# KiCad board weisse_cpu.kicad_pcb (continued)
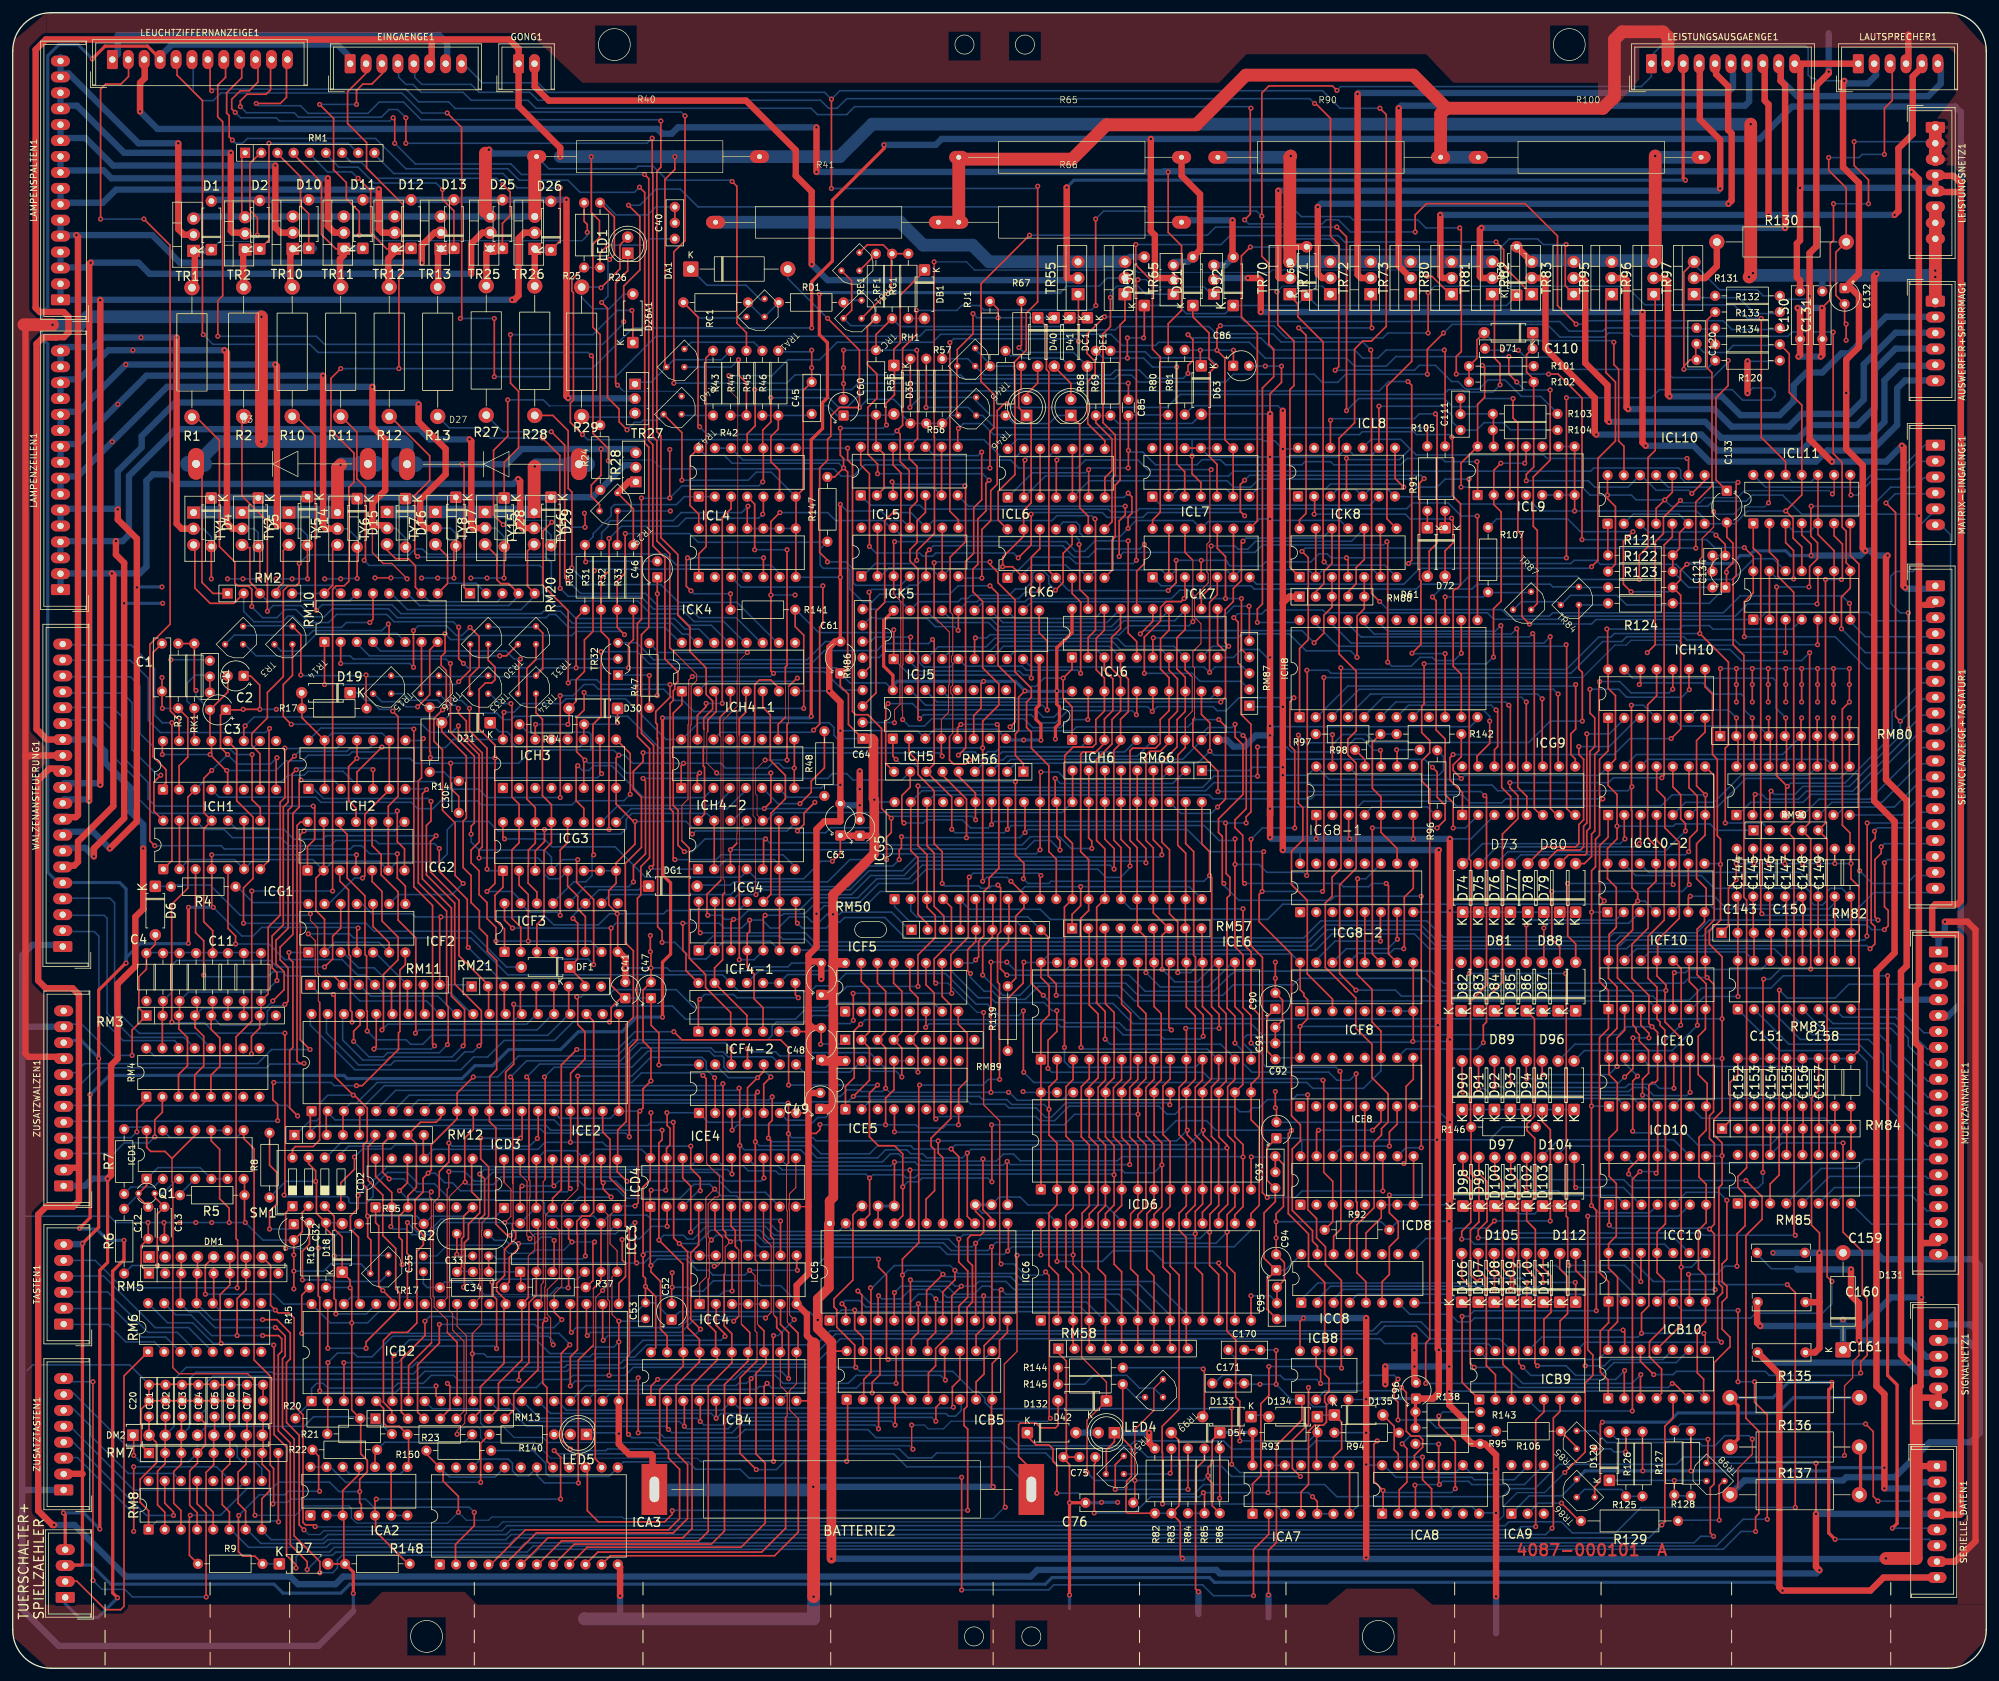
[diagram p0: board, top side]
## Routing (per net, layer and track width the routed paths; a pad name or vN(x,y) marks a point on that pad's centre or on a via; arc(x,y) is an arc through that point) (continued)
GND1: length 695.6
  Top w0.25: v1(37.55,122.07) 37.55,101.62 35.09,99.16 35.09,67.48 35.33,67.24 35.33,59.83 v1(35.25,59.75) ; v1(50.25,122.07) 50.25,169.44 50.8,170 52.07,170 52.79,170.71 52.79,185.44 53.6,186.25 53.6,190.85 49.99,194.46 49.99,202.58 v1(51.52,204.11) ; 55.54,252 55.54,250.54 52.6,247.6 52.6,242.6 55.58,239.62 55.58,235.61 61.33,229.86 61.33,219.5 60.66,218.84 60.66,204.11 v1(60.66,204.11)
  Top w0.5: v1(136.86,239.25) 136.86,238.68 128.75,230.57 128.75,221 125.5,217.75 v1(125.5,210.5)
  Top w1: v1(178.77,240.18) 178.77,225.7 179.4,225.06 179.4,218.72 179.79,218.33 182.33,218.33
  Bottom w0.25: v1(125.5,210.5) 97.4,210.5 91.01,204.11 v1(60.66,204.11) v1(51.52,204.11) ; v1(37.55,122.07) v1(50.25,122.07) ; 8.16,64.05 12.95,64.05 17.25,59.75 v1(35.25,59.75)
  Bottom w1: 302.5,102.34 303.92,102.34 306.02,104.44 306.02,244.37 305.13,245.26 279.48,245.26 274.4,240.18 v1(178.77,240.18) 145.92,240.18 144.99,239.25 v1(136.86,239.25)
GNDPWR: length 668.7
  Top w0.25: v1(284.18,213.63) 285.5,214.95 285.5,223.75 286,224.25 v1(286,230) ; RM2.1 31.45,168.8 29.73,170.53 29.73,188.22 ; RM20.1 70.9,169.74 70.9,188.8 v1(70.6,189.1) ; v1(289.25,239.75) 289.25,236 291.5,233.75 v1(291.5,230) ; TR29.3 92.17,182.76 90.89,184.04 90.89,185.82 92.4,187.34 v1(92.4,191.48)
  Top w1: v1(284,206) 284.25,206.25 C131.1 284.25,213.56 v1(284.18,213.63) ; 7.96,96.03 2.47,96.03 2,96.5 2,143.25 ; v1(303.5,117.25) 307.04,117.25 308.31,115.98 308.31,19.96 305.1,16.75 SERIELLE_DATEN1.7 ; v1(280.5,206) 280.75,206.25 C130.1 280.75,213.25 v1(280.37,213.63) ; 2,143.25 2.75,143.25 2.85,143.35 WALZENANSTEUERUNG1.13 ; 2,143.25 2,210.75 1.75,211 ; 297.77,252 297.77,256.53 297.75,256.55
  Top w2: 1.75,211 v1(6.25,211) ; 149.5,237 166.4,237 171.8,242.4 185.9,242.4 193.7,250.2 220,250.2 225.2,245 ; 225.2,245 224.3,244.1 R90.2 ; 225.2,245 249.8,245 251.6,246.8 251.6,255.8 252.8,257 259.2,257 260,256.2 260,252.06 259.94,252 ; 302,236.92 LEISTUNGSNETZ1.1 ; R65.1 R66.1 R41.2 ; v1(39.07,212.24) v1(39.07,192.65)
  Bottom w0.25: 301.71,239.75 v1(289.25,239.75) ; v1(291.5,230) v1(286,230)
  Bottom w1: v1(280.37,213.63) v1(284.18,213.63) ; v1(280.5,206) v1(284,206) ; 97.87,191.48 v1(92.4,191.48) 79.98,191.48 77.6,189.1 v1(70.6,189.1) D27.1 ; MUENZANNAHME1.1 302.5,114.5 303.5,115.5 v1(303.5,117.25)
  Bottom w2: D27.1 61.95,192.1 61.4,192.65 32.3,192.65 D3.1 ; v1(6.25,211) 10.5,211 11.75,212.25 39.06,212.25 v1(39.07,212.24) ; R41.2 R66.1 ; R90.2 R100.1
/A8#: length 31.5
  Top w0.25: v1(235,151.25) 235.25,151 235.25,141.25
  Bottom w0.25: 214.84,149.34 217.25,151.75 234.5,151.75 v1(235,151.25)
/A8b: length 37.5
  Top w0.25: v1(237.75,151.75) 237.75,141.25
  Bottom w0.25: v1(237.75,151.75) 237,152.5 215.25,152.5 212.3,149.55
/B8: length 26.2
  Top w0.25: v1(233,150.5) 233.25,150.25 233.25,144.75 232.75,144.25 232.75,141.28
  Bottom w0.25: 217.38,149.38 219.25,151.25 232.25,151.25 v1(233,150.5)
/C8#: length 50.1
  Top w0.25: ICG9.4 235.29,136.93 233.89,138.32 233.89,163.61 v1(233.75,163.75)
  Bottom w0.25: v1(233.75,163.75) 232.88,162.88 215.96,162.88 214.84,164
/C9: length 21.8
  Top w0.25: 230,141.49 230,143.25 232,145.25 v1(232,148.75)
  Bottom w0.25: v1(232,148.75) 232,149.5 231,150.5 221,150.5 219.92,149.42
/cTS0: length 108.8
  Top w0.25: v1(277.07,169.82) 277.07,140.18 v1(278.75,138.5) 278.5,138.25 278.5,134.13 ; v1(282.15,169.82) 282.25,169.92 282.25,173 283.5,174.25 283.5,176.75 282.44,177.81 282.44,182.44 v1(282.5,182.5)
  Bottom w0.25: v1(282.5,182.5) 292,182.5 295,185.5 298.75,185.5 300.25,187 302,187 ; 302,154.76 299.76,154.76 295.2,150.2 295.2,146.44 287.76,139 279.25,139 v1(278.75,138.5) ; v1(282.15,169.82) v1(277.07,169.82)
/cTS1: length 80.7
  Top w0.25: v1(296.5,148.72) 295.75,149.47 295.75,181.5 v1(294.25,183) ; v1(276.2,137.75) 276,137.55 276,134.17
  Bottom w0.25: 302,184.46 295.71,184.46 v1(294.25,183) ; 302,152.22 300,152.22 v1(296.5,148.72) 296.5,146.5 288.5,138.5 281.2,138.5 279.95,137.25 276.7,137.25 v1(276.2,137.75)
/cTS2: length 78.6
  Top w0.25: v1(297.75,165.75) 297.75,147.55 v1(297.8,147.5) ; 273.5,134.21 273.5,137.05 v1(273.7,137.25)
  Bottom w0.25: v1(273.7,137.25) 274.75,137.25 275.5,136.5 280.5,136.5 281.75,137.75 289,137.75 297.8,146.55 v1(297.8,147.5) 297.8,147.55 299.93,149.68 302,149.68 ; 302,181.92 299.75,179.67 299.75,173.5 298.5,172.25 295.75,172.25 295,171.5 295,167.25 296.5,165.75 v1(297.75,165.75)
/cTS3: length 71.2
  Bottom w0.25: 271,134 273,136 281.24,136 282.49,137.25 289.75,137.25 299.64,147.14 303.64,147.14 304.4,147.9 304.4,178 303.02,179.38
/cTS4: length 25.2
  Bottom w0.25: 281.23,134 283.73,136.5 291.75,136.5 299.85,144.6 302,144.6
/cTS5: length 21.6
  Bottom w0.25: 302,142.06 299.69,142.06 293.62,136 285.75,136 283.75,134
/cTS6: length 17.8
  Bottom w0.25: 286.5,134 287.75,135.25 295.55,135.25 299.82,139.52 302,139.52
/cTS7: length 14.7
  Bottom w0.25: RM81.8 296.75,134 299.73,136.98 302,136.98
/D8#: length 59.1
  Top w0.25: 240.02,134.01 239,135.02 239,162.25 v1(238.75,162.5)
  Bottom w0.25: 209.76,164 211.76,162 212,162 212.02,161.97 238.23,161.97 v1(238.75,162.5)
/D8b: length 54.8
  Top w0.25: 237.82,134.01 237.82,136.93 236.41,138.34 236.41,163.09 v1(236.25,163.25)
  Bottom w0.25: v1(236.25,163.25) 235.43,162.43 213.88,162.43 212.3,164
/E8: length 64.4
  Top w0.25: v1(241.5,162) 241.55,161.96 241.55,135.02 242.56,134.01
  Bottom w0.25: v1(241.5,162) 240.5,161 210.22,161 207.22,164
/F8: length 68.1
  Top w0.25: v1(244,160.75) 244.08,160.66 244.08,135.02 245.1,134.01
  Bottom w0.25: v1(244,160.75) 243.75,160.5 208.18,160.5 204.68,164
/F8#: length 56.1
  Top w0.25: v1(245.5,154.5) 245.5,147.5 244.75,146.75 244.75,143.5 245.44,142.81 245.44,142.06
  Bottom w0.25: 204.68,149.22 209.71,154.25 245.25,154.25 v1(245.5,154.5)
/G8: length 49.4
  Top w0.25: v1(242.75,153) 242.75,141.25
  Bottom w0.25: v1(242.75,153) 242,153.75 211.5,153.75 207.22,149.47
/G8#: length 43.2
  Top w0.25: v1(240.25,152.25) 240.25,141.25
  Bottom w0.25: 209.76,149.51 213.25,153 239.5,153 v1(240.25,152.25)
/LZB0: length 42.5
  Top w0.25: TR34.2 82.19,150.06 83.21,149.04 83.21,137.04 84.62,135.63 ICG3.13 84.62,129.62 83.46,128.46 83.46,117.96 82.33,116.83 ICF3.3
/LZB1: length 42.9
  Top w0.25: TR31.2 82.19,158.44 80.75,157 80.75,136.5 82.08,135.17 ICG3.14 82.08,129.58 81,128.5 81,126 80.96,125.96 80.96,123.29 82.33,121.92 ICF3.14
/LZB2: length 44.9
  Top w0.25: v1(78.25,151.5) 78.41,151.34 78.41,136.84 79.54,135.71 ICG3.15 79.54,129.65 78.41,128.52 78.41,117.78 79.79,116.4 ICF3.2
  Bottom w0.25: v1(78.25,151.5) 76.5,151.5 74.69,153.31
/LZB4: length 48.6
  Top w0.25: v1(71.75,150.75) 71.75,147.25 74.5,144.5 v1(74.5,125.5) ; ICF3.1 77.25,116.1 75.75,117.6 75.75,121.4 77,122.65 ICG3.1
  Bottom w0.25: v1(71.75,150.75) 70.5,152 68,152 TR16.2 ; ICG3.1 74.75,125.25 v1(74.5,125.5)
/LZB5: length 67.3
  Top w0.25: v1(70,150.75) 70,150 71.25,148.75 71.25,146.25 73.75,143.75 73.75,129 73.25,128.5 v1(73.25,127.25) ; ICG3.5 87.16,122.84 88.75,121.25 88.75,119.25 89.95,118.05 ICF3.6
  Bottom w0.25: ICG3.5 85.91,124 84.25,124 83.5,124.75 83.5,126.25 82.5,127.25 v1(73.25,127.25) ; TR15.2 61.44,153.06 62.47,152.03 66.72,152.03 67.5,151.25 69.5,151.25 v1(70,150.75)
/LZB6: length 107.1
  Top w0.25: v1(70,148) 70,146.75 73.25,143.5 73.25,129.75 72,128.5 72,126.5 73.25,125.25 73.25,121.5 74.5,120.25 74.5,117.75 75.9,116.35 v1(75.9,114.19) ; v1(80.98,114.19) 80.98,121.52 79.54,122.96 ICG3.2 ; v1(43.75,148.25) 42.5,149.5 42.5,154.5 43.94,155.94 TR14.2
  Bottom w0.25: v1(43.75,148.25) 64.25,148.25 65.5,147 69,147 v1(70,148) ; v1(75.9,114.19) v1(80.98,114.19) 90.8,114.19 ICF3.7
/LZB7: length 108.8
  Top w0.25: v1(91.25,110.5) 91.25,120.75 88.57,123.43 88.57,126.82 v1(88.75,127) ; v1(72,131) 72,132.25 72.5,132.75 72.5,143.25 68.75,147 v1(68.75,157.8)
  Bottom w0.25: v1(88.75,127) 86.37,127 ICG3.4 84.62,127.38 83.5,128.5 73.25,128.5 72,129.75 v1(72,131) ; 36.44,160.81 38.25,159 53,159 53.5,158.5 68.05,158.5 v1(68.75,157.8) ; ICF3.4 86,111.38 90.38,111.38 v1(91.25,110.5)
/NF_C: length 17.5
  Bottom w0.25: 8.05,54 15,54 17.75,51.25 22.25,51.25 RM6.2
/Ru_C: length 28.3
  Bottom w0.25: RM6.5 27.62,53.5 22.38,53.5 14.28,61.6 8.07,61.6
/SK_C: length 21.1
  Bottom w0.25: 8.09,56.5 15.75,56.5 20.25,52 24.04,52 RM6.3
/SOUND_OCTAVE: length 117.9
  Top w0.25: ICF8.3 207.3,105.09 203.35,109.05 203.35,120.61 200.87,123.08 200.87,128.29 202.65,130.07 202.65,135.15 201.95,135.84 v1(201.95,146.55) ; v1(246.55,148.75) 246.55,156.4 246,156.95 TR84.2
  Bottom w0.25: 250.84,167 TR84.2 ; v1(201.95,146.55) 203.15,145.35 207.6,145.35 208.9,146.65 212.65,146.65 213.9,145.4 238.15,145.4 241.5,148.75 v1(246.55,148.75)
/SOUND_S0: length 161.8
  Top w0.25: v1(221.7,186.84) 220.98,186.12 220.98,170.99 221.19,170.78 221.19,160.8 v1(219.79,159.41) ; v1(134.57,176.17) 134.57,187.6 133.2,188.97 ICL5.14 ; v1(193.5,186.58) 192.83,185.92 192.83,181.66 v1(193.5,181) ; v1(157.94,174.39) 159.97,176.42 v1(159.97,181.25) ; 225,149 v1(225,159.35)
  Bottom w0.25: v1(225,159.35) 219.85,159.35 v1(219.79,159.41) ; v1(193.5,186.58) 194.26,187.35 221.19,187.35 v1(221.7,186.84) ; v1(134.57,176.17) 135.59,175.15 142.45,175.15 142.96,174.65 144.48,174.65 144.99,175.15 157.18,175.15 v1(157.94,174.39) ; v1(193.5,181) 192.99,181.5 178.26,181.5 177.5,180.74 171.91,180.74 171.15,181.5 160.23,181.5 v1(159.97,181.25)
/SOUND_S1: length 127.7
  Top w0.25: ICL5.8 148.44,194.61 v1(148.54,194.71) ; ICH8.11 227.54,156.1 226.27,157.37 226.27,169.19 226.65,169.57 226.9,169.57 227.41,170.07 227.41,182.9 226.14,184.17 226.14,193.26 v1(226.05,193.35)
  Bottom w0.25: v1(148.54,194.71) 149.31,195.47 152.35,195.47 154.08,193.75 211.55,193.75 212,194.2 220.05,194.2 220.5,193.75 225.65,193.75 v1(226.05,193.35)
/SOUND_S2: length 115.6
  Top w0.25: v1(174.75,182.5) 174.75,181.15 173.8,180.2 v1(173.8,174.6) ; v1(215.85,176.93) 215.98,176.81 v1(215.98,158.01) ; ICH8.14 v1(227.54,159.41)
  Bottom w0.25: v1(173.8,174.6) 174.45,175.25 195.12,175.25 196.3,176.42 215.35,176.42 v1(215.85,176.93) ; v1(215.98,158.01) 216.62,157.37 219.66,157.37 221.06,158.77 222.97,158.77 223.47,158.26 226.39,158.26 v1(227.54,159.41) ; v1(174.75,182.5) 150.14,182.5 ICL5.7
/SOUND_S3: length 116.1
  Top w0.25: 230.08,164.24 230.08,180.92 v1(230.05,180.95)
  Bottom w0.25: ICL5.1 134.75,182.65 142.5,182.65 143.1,182.05 172.1,182.05 172.55,181.6 176.45,181.6 176.95,182.1 218.95,182.1 219.85,183 225.5,183 227.55,180.95 v1(230.05,180.95)
/STR_C: length 24.7
  Bottom w0.25: RM6.4 25.83,52.75 21.25,52.75 14.9,59.1 8.03,59.1
/TS_C: length 52.8
  Top w0.25: 8.25,13.67 10.08,13.67 14.55,9.2 16.95,9.2 17.48,9.73 17.48,45.92 RM6.1
/ZE0_c: length 72.7
  Top w0.25: v1(12.6,13.8) v1(12.6,45) ; RM8.13 28.96,25.84 30.38,24.43 30.38,11.23 v1(30.4,11.2)
  Bottom w0.25: v1(30.4,11.2) 18.8,11.2 17.6,12.4 14,12.4 v1(12.6,13.8) ; v1(12.6,45) 8.78,45
/ZE1_c: length 39
  Bottom w0.25: 8,43.24 9.51,43.24 17.62,35.12 35.01,35.12 35.26,34.87 35.26,33.17 36.02,32.41 38.09,32.41 39.12,31.38 RM8.9
/ZE2_c: length 24
  Bottom w0.25: RM8.14 25.24,30.6 18.15,30.6 12.25,36.5 12.25,38 9.55,40.7 8,40.7
/ZE3_c: length 32.5
  Bottom w0.25: RM8.10 35.16,28 19,28 8.84,38.16
/ZE4_c: length 28.1
  Top w0.25: v1(25.25,24) 25.25,24.55 23.88,25.92 RM8.15
  Bottom w0.25: 8,35.62 9.38,35.62 21,24 v1(25.25,24)
/ZE5_c: length 43.4
  Top w0.25: v1(19,21.5) v1(19,31.64)
  Bottom w0.25: v1(19,21.5) 19,24.25 10.17,33.08 8,33.08 ; 34.04,29.62 32.02,31.64 v1(19,31.64)
A0: length 245.3
  Top w0.25: ICG5.21 186.78,129.47 188,128.25 v1(188,124.5) 188.32,124.18 188.32,111.72 188.31,111.71 188.31,103.88 189.5,102.7 v1(189.5,100.5) ; 184.34,55.01 184.34,67.66 183.21,68.79 183.21,71.46 184.34,72.59 184.34,82.66 183.21,83.79 183.21,91.22 184.34,92.34 184.34,95.5 ; ICC5.8 146.09,59.09 148,61 v1(148,62.5) ; 184.34,54.5 184.34,50.43 ; ICH5.1 138.25,143.25 v1(138.75,142.75) ; ICE6.10 184.36,100.39 v1(184.25,100.5) ; 133.68,42.34 133.68,45.36 134.81,46.48 134.81,59.69 v1(134.75,59.75) ; v1(157.5,139.25) 157.5,127.75 158.84,126.41 158.84,124.09 v1(158.75,124)
  Bottom w0.25: ICC6.10 184.36,55.64 179.25,60.75 158.75,60.75 157.5,62 148.5,62 147.25,63.25 138.5,63.25 135,59.75 v1(134.75,59.75) ; v1(158.75,124) 159.5,123.25 162.75,123.25 163.1,123.6 187.1,123.6 v1(188,124.5) ; v1(157.5,139.25) 143.3,139.25 142.19,140.36 142.19,141.5 141.69,142.01 139.49,142.01 v1(138.75,142.75) ; v1(189.5,100.5) v1(184.25,100.5)
A1: length 230.1
  Top w0.25: ICB5.5 139.77,43.58 139.77,61.73 v1(139.75,61.75) 139.75,64.25 142.31,66.81 142.31,91.46 v1(142.45,91.59) ; v1(155.02,92.48) 155,92.5 155,107.45 154.7,107.75 154.7,115.2 155.17,115.67 155.17,122.58 v1(154.75,123) ; v1(146.13,61.87) 146.12,61.87 143.55,59.3 ICC5.7 ; 181.8,55.01 181.8,61.89 180.68,63.01 180.68,71.43 181.8,72.55 181.8,82.7 180.68,83.82 180.68,91.43 181.8,92.55 181.8,95.5 ; ICH5.2 140.79,143.79 142.19,142.39 142.19,140.36 144.73,137.82 144.73,129.43 144.8,129.43 146,128.23 v1(146,123.25) ; 181.8,54.5 181.8,50.43
  Bottom w0.25: v1(142.45,91.59) 152.35,91.59 153.24,92.48 v1(155.02,92.48) ; v1(139.75,61.75) 140.5,62.5 145.5,62.5 146.5,61.5 156.75,61.5 158,60.25 177,60.25 181.82,55.43 ICC6.9 ; v1(154.75,123) 154.62,122.87 153.75,122.87 153.38,122.5 152.12,122.5 151.75,122.87 146.38,122.87 v1(146,123.25)
A2: length 114.9
  Top w0.25: ICC5.6 141.01,60.99 v1(141,61) ; 143.84,42.34 143.84,46.37 144.96,47.5 144.96,50.21 147.5,52.75 147.5,58.5 v1(149,60) ; 179.26,75 179.26,72.51 178.13,71.38 178.13,62.76 179.26,61.63 179.26,55.01 ; 179.26,54.5 179.26,50.43 ; ICD6.8 179.28,82.32 178,83.6 178,91.2 179.28,92.48 ICE6.8
  Bottom w0.25: v1(141,61) 141.25,60.75 147.25,60.75 148,60 v1(149,60) 151,60 151.75,60.75 156,60.75 157.25,59.5 175.5,59.5 179.26,55.74 179.26,54.5
A3: length 112.3
  Top w0.25: 176.72,55.01 176.72,61.63 175.6,62.76 175.6,71.35 176.72,72.47 176.72,75 ; 176.72,54.5 176.72,50.43 ; v1(155.27,59.46) 155.02,59.2 155.02,53.11 152.58,50.67 152.58,46.23 151.32,44.96 ICB5.9 ; ICD6.7 176.74,82.16 175.45,83.45 175.45,91.2 176.72,92.47 176.72,95.5 ; v1(138.5,59) 138.47,58.97 ICC5.5
  Bottom w0.25: 176.72,54.5 176.72,55.78 173.75,58.75 155.98,58.75 v1(155.27,59.46) 154.04,59.46 153.5,60 152.25,60 151,58.75 148,58.75 146.75,60 139.5,60 v1(138.5,59)
A4: length 101.5
  Top w0.25: v1(136,58.5) 135.93,58.43 ICC5.4 ; 174.18,95.5 174.18,92.43 172.9,91.15 172.9,83.45 174.18,82.17 174.18,72.68 173,71.5 173,63.45 174.18,62.27 174.18,55.01 ; 174.18,54.5 174.18,50.43 ; v1(152.5,58.5) 152.5,53.5 151.32,52.32 ICB5.12
  Bottom w0.25: ICC6.6 174.2,55.55 171.5,58.25 152.75,58.25 v1(152.5,58.5) 152.25,58.25 146.75,58.25 145.5,59.5 141,59.5 139.5,58 136.5,58 v1(136,58.5)
A5: length 102.2
  Top w0.25: 171.64,95.5 171.64,92.39 170.5,91.25 170.5,83.3 171.64,82.16 171.64,72.64 170.5,71.5 170.5,62.77 171.64,61.63 171.64,55.01 ; v1(132.75,59.25) 133.39,58.61 ICC5.3 ; v1(145,58) 144.96,57.96 144.96,52.76 143.7,51.5 ICB5.15 ; 171.64,54.5 171.64,50.43
  Bottom w0.25: v1(132.75,59.25) 134.75,57.25 140.75,57.25 142.25,58.75 144.25,58.75 v1(145,58) 145.5,57.5 168.64,57.5 171.64,54.5
A6: length 97.7
  Top w0.25: 169.1,54.5 169.1,50.43 ; 169.1,55.01 169.1,61.89 167.98,63.01 167.98,71.48 169.1,72.6 169.1,82.2 167.85,83.45 167.85,91.35 169.1,92.6 169.1,95.5 ; ICB5.16 141.16,51.66 142.25,52.75 v1(142.25,57.25) ; v1(130.25,57.25) 130.85,56.65 ICC5.2
  Bottom w0.25: v1(130.25,57.25) 130.75,57.75 133,57.75 134,56.75 141.75,56.75 v1(142.25,57.25) 142.75,56.75 167.75,56.75 169.1,55.4
A7: length 92.5
  Top w0.25: 166.56,75 166.56,82.44 165.44,83.56 165.44,91.33 166.56,92.46 166.56,95.5 ; ICD6.3 166.58,72.29 165.44,71.14 165.44,63.01 166.56,61.89 166.56,55.01 ; v1(132.25,56.25) 132.25,53.27 133.54,51.98 ICB5.19 ; 166.56,54.5 166.56,50.43
  Bottom w0.25: 166.56,55.44 166,56 132.5,56 v1(132.25,56.25) 130.15,56.25 128.6,54.7
A8: length 21.7
  Top w0.25: ICB2.21 95.2,60.45 96.25,61.5 96.25,63.62 95.75,64.12 95.75,67.29 v1(95.71,67.33) ; v1(102.8,69.4) 102.79,69.41 102.79,72.4
  Bottom w0.25: v1(95.71,67.33) 95.84,67.46 98.46,67.46 100.4,69.4 v1(102.8,69.4)
A9: length 42.1
  Top w0.25: v1(108.05,53.25) 106.5,54.8 106.5,65.25 107.75,66.5 107.75,72.48 ; v1(92.75,51.5) 92.66,51.59 ICB2.22
  Bottom w0.25: v1(92.75,51.5) 93.5,52.25 107.05,52.25 v1(108.05,53.25)
A10: length 47.9
  Top w0.15: 113.75,66 114.06,65.69 114.06,55.31
  Top w0.25: ICB2.23 90.12,52.38 v1(90.25,52.25) ; ICD4.6 112.85,69.4 113.5,68.75 113.5,66.25 113.75,66 ; v1(113.25,54.5) 114,55.25
  Bottom w0.25: v1(90.25,52.25) 90.75,52.75 105,52.75 107,54.75 113,54.75 v1(113.25,54.5)
A11: length 54.5
  Top w0.15: 118.7,66.82 119.13,66.39 119.13,55.88 v1(118.25,55)
  Top w0.2: ICD4.8 117.93,67.59 118.7,66.82
  Top w0.25: ICB2.24 87.58,52.92 v1(87.75,52.75)
  Bottom w0.25: v1(87.75,52.75) 88.5,53.5 104.75,53.5 106.5,55.25 118,55.25 v1(118.25,55)
A12: length 107.2
  Top w0.15: 88.75,75.75 88.75,75.25 86.24,72.74 86.24,59.99 85.04,58.79 ICB2.25
  Top w0.25: 88.75,75.75 88.74,75.76 88.74,92.99 v1(88.75,93) ; v1(110.25,92.75) 110.34,92.66 ICE4.2 ; ICB2.25 85.04,55.96 v1(86.25,54.75) ; RM13.4 63.59,40.23 63.59,47.66 67.01,51.07 v1(67.01,54)
  Bottom w0.25: v1(86.25,54.75) 85,53.5 82.5,53.5 82,54 v1(67.01,54) ; v1(110.25,92.75) 108.93,94.07 108.93,95.29 108.27,95.95 100.2,95.95 97.25,93 v1(88.75,93)
A13: length 101.5
  Top w0.15: 83,57.7 83,60.25 83.33,60.58 83.33,76.42 83.63,76.73 83.63,76.88
  Top w0.25: ICE4.5 117.96,91.74 v1(119.08,92.86) ; 83.63,76.88 83.63,92.75 v1(83.52,92.86) ; RM13.9 78.69,40.57 78.69,43.07 82.5,46.88 82.5,53.49 82.5,53.49 ICB2.26
  Bottom w0.25: v1(119.08,92.86) 118.32,93.62 112.49,93.62 111.71,94.39 111.71,95.91 111.46,96.16 110.19,96.16 109.43,96.92 99.78,96.92 97.24,94.38 85.04,94.38 v1(83.52,92.86)
A14: length 100
  Top w0.15: 81.09,76.73 81.25,76.57 81.25,74 81.16,73.91 81.16,68.59 82,67.75 82,65.75 80.98,64.73 80.98,62.5
  Top w0.25: v1(80.73,92.86) 81.09,92.5 81.09,76.73 ; 80.98,62.5 80.98,58.22 ICB2.27 79.96,54 79.96,54 79.96,48.41 76.29,44.74 76.29,40.71 RM13.8
  Bottom w0.25: ICE4.9 119.29,96.03 112.35,96.03 111.59,96.79 110.32,96.79 109.68,97.43 98.76,97.43 96.22,94.89 82.76,94.89 v1(80.73,92.86)
A15: length 96.8
  Top w0.15: 78.55,76.2 78.6,76.15 78.6,69.85 78.5,69.75
  Top w0.25: RM13.7 73.47,40.43 73.47,44.2 77.17,47.9 77.17,56.95 ; 78.5,69.75 78.5,69 79,68.5 79,67.5 77.25,65.75 77.25,61.69 76,60.44 76,59.25 77.42,57.83 ; 78.55,76.2 78.55,92.5 v1(78.19,92.86) ; v1(112.86,97.3) 112.86,94.84
  Bottom w0.25: v1(78.19,92.86) 80.73,95.4 95.46,95.4 98.25,98.19 111.97,98.19 v1(112.86,97.3)
AD0: length 73
  Top w0.25: 102.75,41.96 102.75,37.75 v1(103,37.5) ; 136,42.12 v1(136,37.6)
  Bottom w0.25: v1(136,37.6) 135.4,38.2 114.2,38.2 113,37 103.5,37 102.51,37.99 80.73,37.99 77.97,40.75 76.09,40.75 ICB2.12
AD1: length 71.1
  Top w0.25: 138.6,42.18 v1(138.6,38.2) ; v1(105.5,38) 105.5,41.83
  Bottom w0.25: v1(138.6,38.2) 138,38.8 113.55,38.8 112.35,37.6 105.9,37.6 104.74,38.76 81.11,38.76 77.91,41.96
AD2: length 74.3
  Top w0.25: v1(108,38.75) 108,41.87 ; ICB5.7 145,40.96 v1(145,38.8)
  Bottom w0.25: v1(145,38.8) 144.4,39.4 112.9,39.4 111.7,38.2 108.55,38.2 107.49,39.26 82.76,39.26 80.06,41.96
AD3: length 72.6
  Top w0.25: v1(110.5,39.25) 110.5,41.91
  Bottom w0.25: 82.54,41.96 84.47,40.03 109.72,40.03 v1(110.5,39.25) 111.25,40 146.6,40 147,39.6 148.1,39.6 149,40.5 149,41.98
AD4: length 73.3
  Top w0.25: v1(147.75,41) 147.6,41.15 147.6,44.2 148.78,45.38 ICB5.13
  Bottom w0.25: 85.54,41.96 86.97,40.53 111.48,40.53 ICB4.6 114.07,40.88 147.62,40.88 v1(147.75,41)
AD5: length 69.7
  Top w0.25: 115.78,42.29 115.78,45.28 v1(116,45.5) ; v1(146.5,45.25) 146.38,45.37 146.38,49.68
  Bottom w0.25: v1(146.5,45.25) 145.75,46 132.5,46 131.25,44.75 121,44.75 119.75,46 116.5,46 v1(116,45.5) 115.25,44.75 114,44.75 113.65,44.4 90.02,44.4 ICB2.17
AD6: length 58.3
  Top w0.25: ICB4.8 118.03,44.28 v1(118.5,44.75) ; v1(138.75,44.75) 138.76,44.76 138.76,49.68
  Bottom w0.25: ICB2.18 91.96,43.8 116.8,43.8 117.25,44.25 118,44.25 v1(118.5,44.75) 119.25,44 132.5,44 133.25,44.75 v1(138.75,44.75)
AD7: length 50.8
  Top w0.25: 136.22,49.68 136.22,46.12 135,44.9 v1(135,43.25)
  Bottom w0.25: ICB2.19 93.82,43.12 119.44,43.12 ICB4.9 121.89,43.32 134.93,43.32 v1(135,43.25)
ALE: length 64.1
  Top w0.15: ICB2.30 73.36,58.22 73.36,62.71 73.28,62.79 73.28,70.42 73.61,70.76
  Top w0.25: v1(73.36,77.62) 74.12,76.86 74.12,71.27 73.61,70.76 ; 112.98,79.99 v1(112.98,77.62)
  Bottom w0.25: v1(73.36,77.62) 74.07,78.33 112.27,78.33 v1(112.98,77.62)
AW1: length 71.4
  Top w1: v1(260.25,199.75) 260,200 260,217.88 259.54,218.33 TR96.2
  Bottom w1: 301.91,212.25 294.25,212.25 288.5,206.5 287.25,206.5 284.25,203.5 281.75,203.5 279.75,201.5 279.75,199 277.55,196.8 271.4,196.8 268.45,199.75 v1(260.25,199.75)
AW1in: length 62.7
  Top w0.25: v1(177.75,156.25) 177.75,161.94 180.29,164.49 180.29,166.63 181.2,167.53 183.53,167.53 v1(184,168) 184.13,168.13 ICK7.3
  Bottom w0.25: RM87.2 192.96,155 186.5,155 185.25,156.25 v1(177.75,156.25) ; ICJ5.12 160.08,167.5 183.5,167.5 v1(184,168)
AW2: length 81.4
  Top w1: v1(253.75,197.75) 253.5,198 253.5,218.03 253.19,218.33 TR95.2
  Bottom w1: 301.87,209.75 295.75,209.75 290.75,204.75 290.75,199.25 288.5,197 281,197 279,195 270,195 267.25,197.75 v1(253.75,197.75)
AW2in: length 52.6
  Top w0.25: v1(188,156.4) 188,167.4 189.21,168.61 ICK7.5
  Bottom w0.25: RM87.3 193.25,157.25 188.85,157.25 v1(188,156.4) 187.15,157.25 159.95,157.25 ICJ5.9
AW3: length 86.5
  Top w1: TR83.2 246.58,218.34 247,217.92 247,205 250.5,201.5 250.5,196 v1(250.75,195.75)
  Bottom w1: 301.21,207.25 295.75,207.25 292.5,204 292.5,198 289.75,195.25 282.5,195.25 280.5,193.25 268.35,193.25 265.85,195.75 v1(250.75,195.75)
AW3in: length 65
  Top w0.25: ICK7.10 189.21,175.89 190.5,174.6 v1(190.5,168) ; v1(193,168) 193,160.04 RM87.4
  Bottom w0.25: v1(193,168) v1(190.5,168) 186,168 184.69,169.31 183.31,169.31 182,168 159.5,168 159,167.5 152.46,167.5 ICJ5.15
AW4: length 93.6
  Top w1: TR82.2 240.62,218.33 240.75,218.2 240.75,207.25 248.5,199.5 248.5,194 v1(248.75,193.75)
  Bottom w1: v1(248.75,193.75) 265.25,193.75 267.75,191.25 281,191.25 283,193.25 291.5,193.25 294,195.75 294,202.25 296.29,204.54 302,204.54
AW4in: length 69.1
  Top w0.15: 185.26,174.13 185.37,174.01 185.37,168.54 185.28,168.45 185.28,164.91 185.37,164.82 v1(185.37,164.36)
  Top w0.25: ICJ5.6 151.08,161.69 v1(151.21,161.82) ; RM87.5 194.25,166.75 v1(194.2,166.8) ; 185.26,174.13 184.13,175.25 ICK7.12
  Bottom w0.25: v1(151.21,161.82) 152.99,161.82 153.5,162.33 173.82,162.33 175.21,163.72 184.74,163.72 v1(185.37,164.36) 186.01,165 190,165 191.8,166.8 v1(194.2,166.8)
B0: length 199.1
  Top w0.25: v1(34.5,240) 34,240.5 34,243.85 33.6,244.25 33.6,247.43 35.97,249.8 35.97,252.65 ; v1(100.25,125.75) 100.66,126.16 100.66,144.93 98.76,146.83 98.76,162.33 99.9,163.47 99.9,191.79 99.27,192.43 99.27,231.78 v1(98.45,232.6)
  Bottom w0.25: 108.01,125.5 100.5,125.5 v1(100.25,125.75) ; v1(34.5,240) 35,239.5 36.11,239.5 36.86,240.25 57,240.25 61.75,235.5 77.75,235.5 79.55,233.7 87.2,233.7 89.11,231.8 97.65,231.8 v1(98.45,232.6)
B1: length 213.1
  Top w0.25: v1(60,239.5) 60,243.25 v1(59.75,243.5) ; v1(104,127) 103.75,127.25 103.75,134.5 103.25,135 103.25,151.5 103.75,152 103.75,153.5 103.99,153.74 103.99,154.47 104.47,154.96 104.47,156.49 102.44,158.52 102.44,174.39 100.54,176.3 100.54,192.17 99.9,192.81 99.9,233.95 v1(99.25,234.6) ; 38.51,252.65 38.51,249.11 37.15,247.75 35.75,247.75 34.4,246.4 34.4,244.9 v1(34.95,244.35)
  Bottom w0.25: v1(104,127) 110.5,127 111.25,127.75 121,127.75 123.25,125.5 ; v1(99.25,234.6) 79.9,234.6 78.25,236.25 63.25,236.25 v1(60,239.5) ; v1(59.75,243.5) 59.25,243 41.9,243 41.4,243.5 35.8,243.5 v1(34.95,244.35)
B2: length 211.5
  Top w0.15: 106.38,131.37 106.38,134.51 106.43,134.56 106.43,148.03 106.57,148.18 106.57,154.27 107.43,155.12 107.43,156.07 104.09,159.41
  Top w0.25: v1(61.75,239.5) v1(61.75,243.5) ; v1(106.75,131) 106.38,131.37 ; v1(100.45,240.3) 100.45,234.81 100.54,234.72 100.54,193.44 101.17,192.81 101.17,177.06 103.21,175.03 103.21,160.29 104.09,159.41 ; v1(35.75,245.25) 35.75,246.15 36.8,247.2 39.8,247.2 40.5,247.9 40.5,252.1
  Bottom w0.25: v1(106.75,131) 107.25,131.5 121.63,131.5 123.25,133.12 ; v1(100.45,240.3) 99.65,239.5 v1(61.75,239.5) ; v1(61.75,243.5) 60.45,244.8 59.1,244.8 57.9,243.6 44.9,243.6 44.2,244.3 36.7,244.3 v1(35.75,245.25)
B3: length 191.6
  Top w0.1: 108.59,147.54 108.59,144.6 108.48,144.48
  Top w0.25: 43,252.06 43,246.72 42.03,245.75 v1(38.25,245.75) ; 108.48,144.48 108.48,141.69 108.67,141.5 108.67,134.14 ICG4.14 ; 108.59,147.47 108.54,147.52 108.54,149.25 109.94,150.64 109.94,151.91 108.92,152.93 108.92,157.12 106.38,159.66 106.38,163.47 104.47,165.38 104.47,174.9 101.81,177.57 101.81,193.57 101.17,194.2 101.17,235.1 101.8,235.72 v1(101.8,243)
  Bottom w0.25: v1(101.8,243) 101.6,243.2 64.15,243.2 61.38,245.97 57.57,245.97 55.8,244.2 46.4,244.2 45.2,245.4 38.6,245.4 v1(38.25,245.75)
BUS_A8: length 126.2
  Top w0.25: 169.1,69.74 169.1,71.35 170.5,72.75 170.5,82 169.1,83.4 169.1,91.35 170.5,92.75 170.5,102.75 169.1,104.15 169.1,116.04 ; v1(106.5,68.5) 106.5,75.72 105.23,76.99 ICD4.18